# Altium PCB LoRaBoard1.PcbDoc
Units mm, origin at the board's own origin, x right, y up, seen from the top; angles counter-clockwise.
Board outline 100 x 100 mm, 2 copper layers (Top Layer, Bottom Layer), stack 1.56 mm thick; 124 components, 102 nets, 450 pads, 95 vias.
Unrouted connection lines stored in the file: 139.
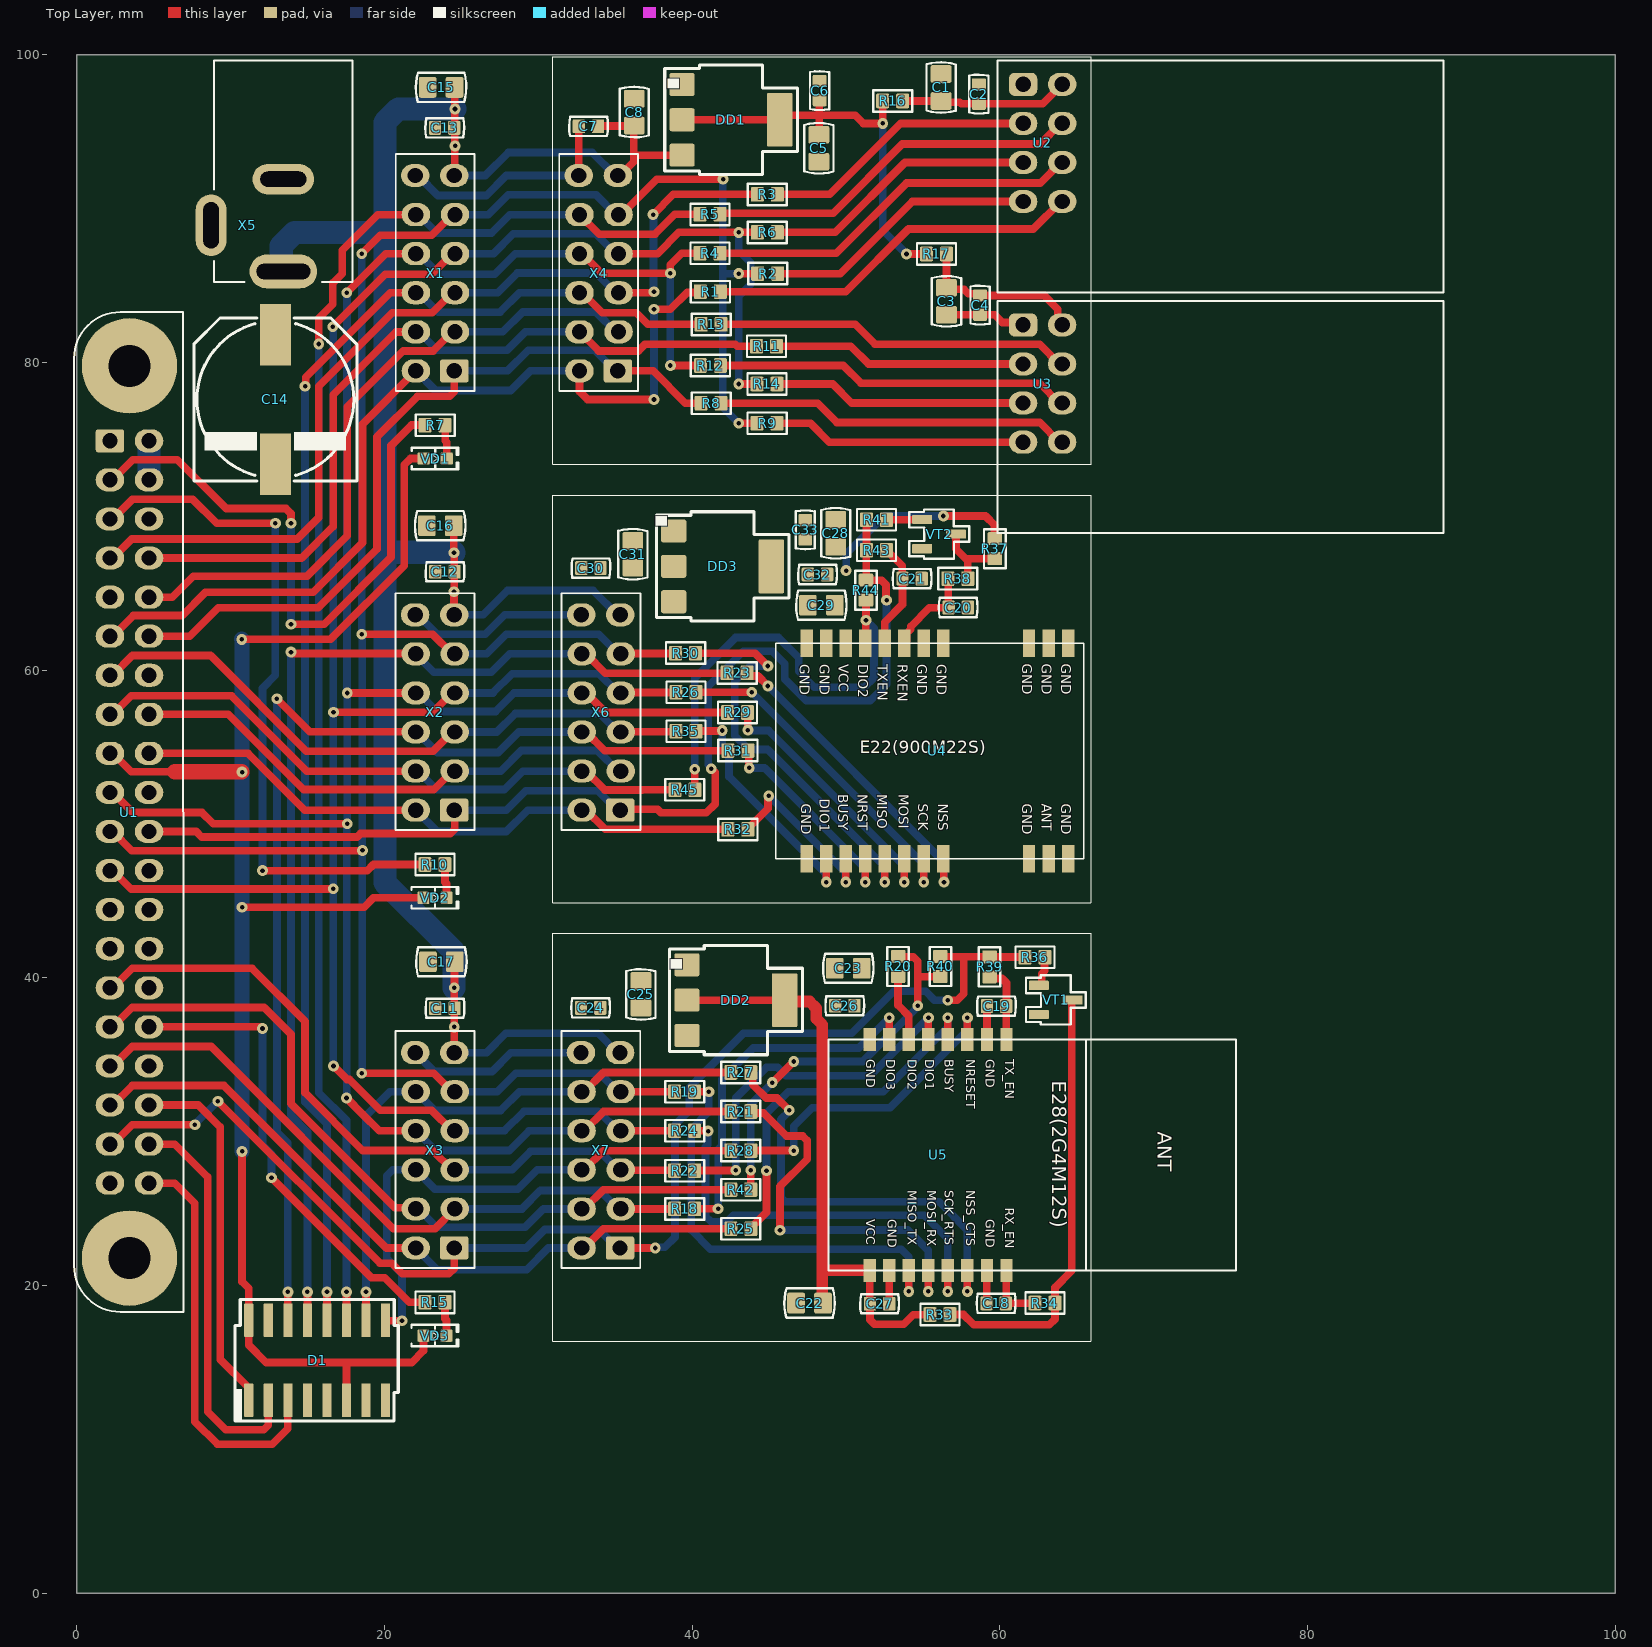
[diagram p0: Top Layer view]
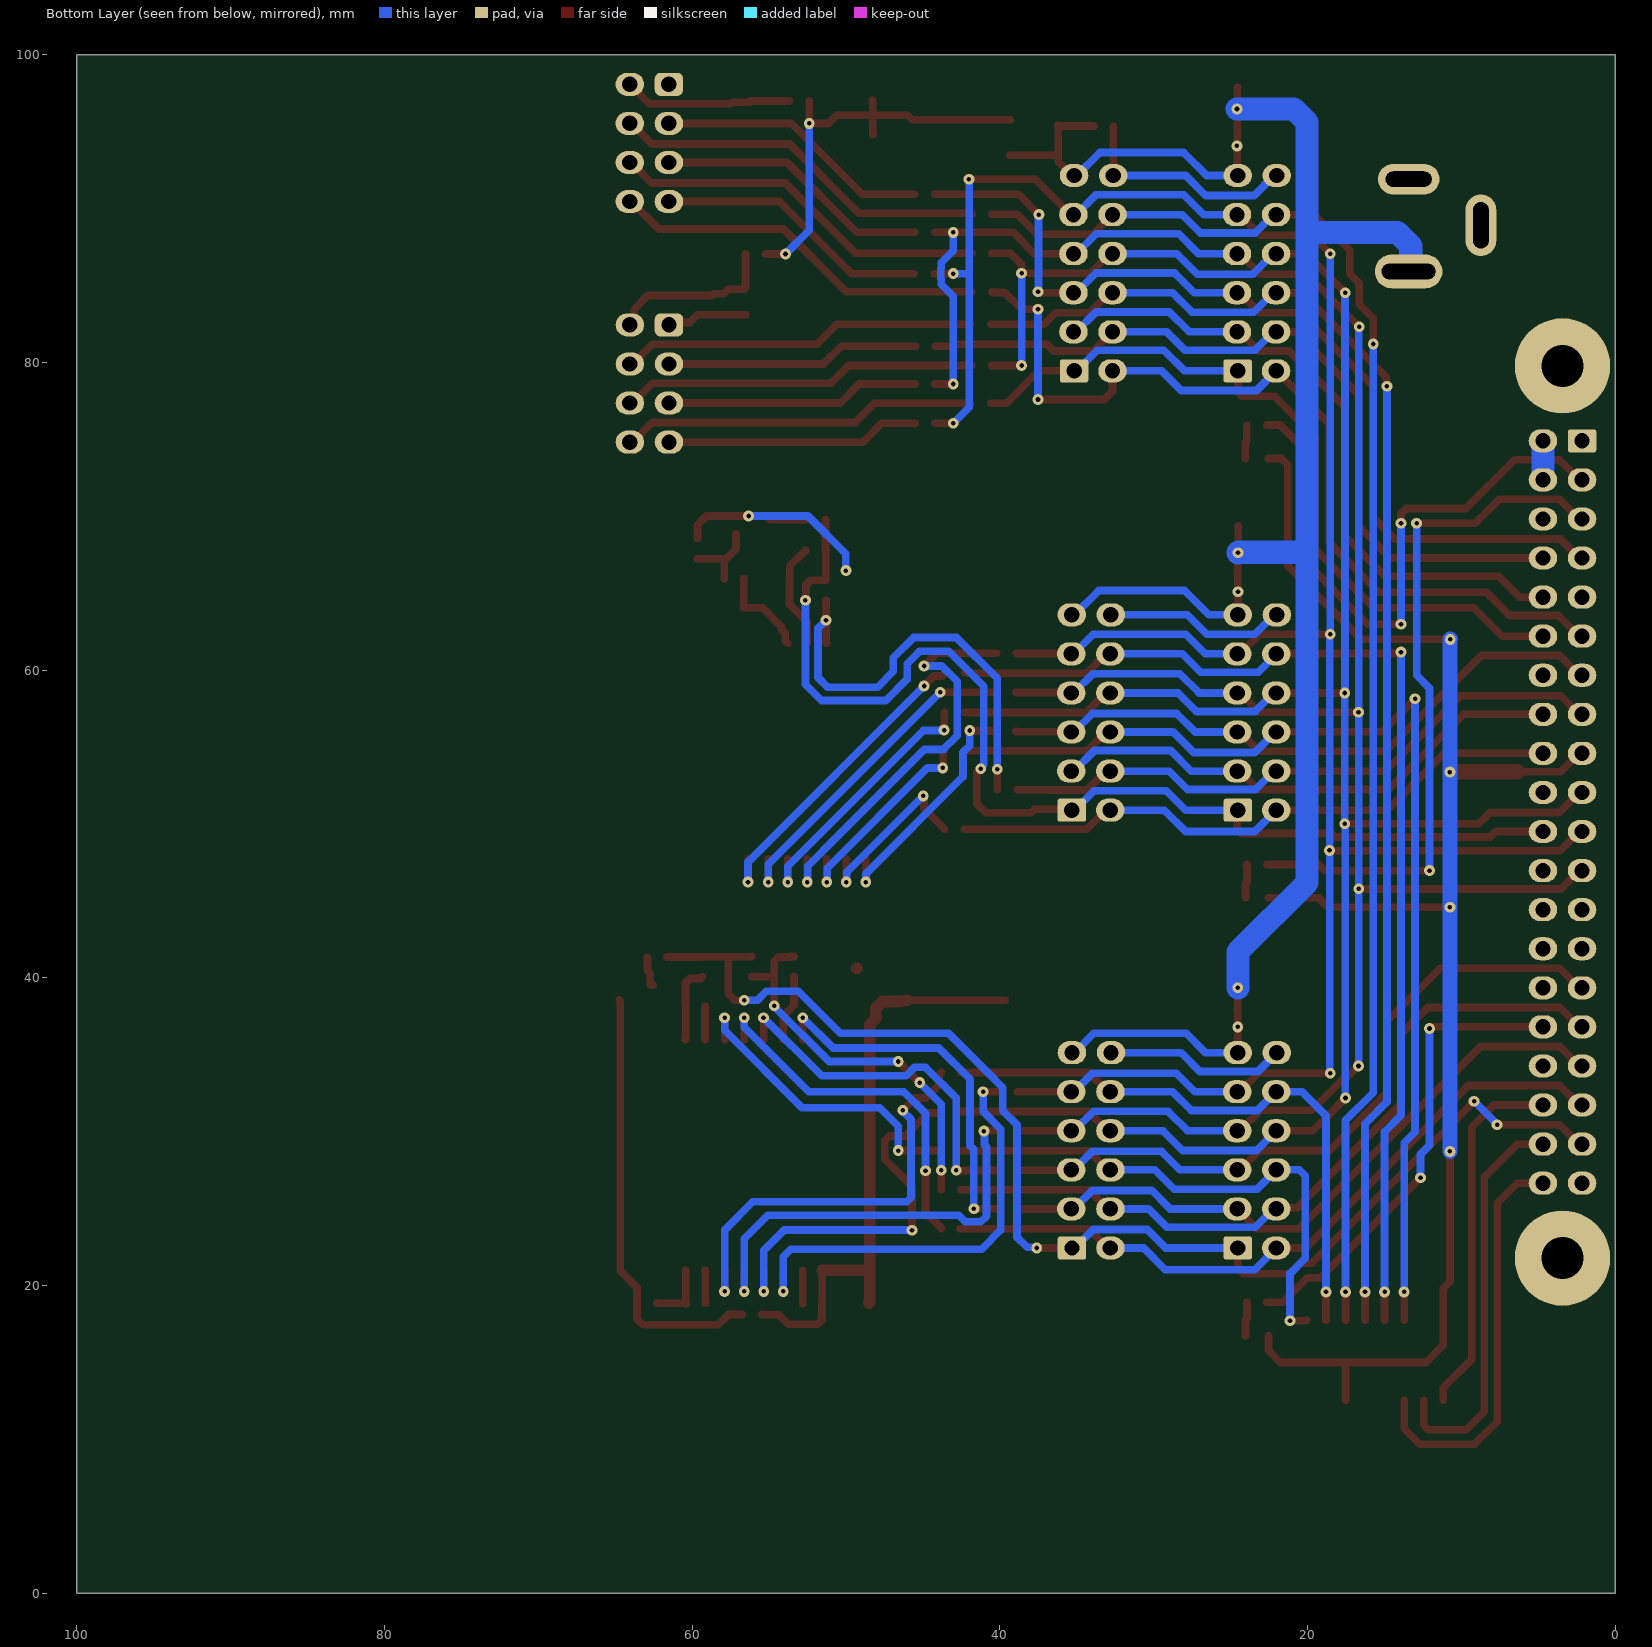
[diagram p1: Bottom Layer view, seen from below]

## Layer stack, top to bottom
Top Solder: solder mask 0.01, Solder Resist, Dk 3.5
Top Layer: signal copper 0.035
Dielectric 1: core 1.49, Core-043, Dk 4.3
Bottom Layer: signal copper 0.035
Bottom Solder: solder mask 0.01, Solder Resist, Dk 3.5

## Board outline
0,0 100,0 100,100 0,100

## Design rules (kind name [scope] priority, off if disabled: settings)
Clearance [All] p1: gap=0.2 ignorepadtopadclearanceinfootprint=FALSE except(0: Arc-Hole Track-Hole SMDPad-Hole THPad-Hole Via-Hole Fill-Hole Poly-Hole Region-Hole Text-Hole)
ComponentClearance [All] p1 off: gap=0.254 collisioncheckmode=3 verticalgap=0.254 showdistances=FALSE
HoleToHoleClearance [All] p1: gap=0.2 allowstackedmicrovias=TRUE
MinimumSolderMaskSliver [All] p1: minsoldermaskwidth=0.15
NetAntennae [All] p1 off: netantennaetolerance=0
PasteMaskExpansion [All] p1: expansion=0.02
PolygonConnect [All] p1: thpad.connectstyle=Relief thpad.reliefconductorwidth=0.3 thpad.reliefentries=4 thpad.polygonreliefangle="90 Angle" thpad.airgapwidth=0.254 smdpad.connectstyle=Relief smdpad.reliefconductorwidth=0.3 smdpad.reliefentries=4 smdpad.polygonreliefangle="90 Angle" smdpad.airgapwidth=0.254 via.connectstyle=Direct via.reliefconductorwidth=0.254 via.reliefentries=4 via.polygonreliefangle="90 Angle" via.airgapwidth=0.254
RoutingVias [All] p1: holewidth=2 width=1.5 viastyle="Through Hole" minholewidth=0.3 minwidth=0.6 maxholewidth=0.75 maxwidth=6
SilkToSilkClearance [All] p1 off: silktosilkclearance=0.254
SilkToSolderMaskClearance [IsPad] p1 off: minsilkscreentomaskgap=0.254 clearancetoexposedcopper=TRUE
SolderMaskExpansion [All] p1: expansion=0.02 istentingtop=FALSE
Width [All] p1: maxlimit=2 minlimit=0.25 preferedwidth=0.4
23 further rules are at their usual default settings.

## Classes and differential pairs
component class LoRaBoard_3: C34 C35 C36 C37 C38 C39 C40 C41 DD4 R46 R47 R48 R49 R50 R51 R52 R53 R54 R55 R56 R57 R58 U6 VT3

## Components (designator, comment, footprint, x,y, rotation, side; value= is the part's Value field where it differs from the comment)
C1 "10мкФ" "CAP 0805" 56.183,97.881 r270 top
C2 "100nF" "CAP 0603_1608 RF" 58.638,97.456 r270 top
C3 "10мкФ" "CAP 0805" 56.533,83.981 r90 top
C4 "100nF" "CAP 0603_1608 RF" 58.714,83.732 r90 top
C5 "10мкФ" "CAP 0805" 48.238,93.931 r90 top
C6 "100nF" "CAP 0603_1608 RF" 48.288,97.681 r270 top
C7 "100nF" "CAP 0603_1608 RF" 33.258,95.356 r0 top
C8 "10мкФ" "CAP 0805" 36.233,96.281 r270 top
C9 "100nF" "CAP 0603_1608 RF" 33.833,124.028 r0 top
C10 "100nF" "CAP 0603_1608 RF" 33.693,127.738 r0 top
C11 "100nF" "CAP 0603_1608 RF" 23.928,38.023 r0 top
C12 "100nF" "CAP 0603_1608 RF" 23.928,66.401 r0 top
C13 "100nF" "CAP 0603_1608 RF" 23.91,95.257 r0 top
C14 "330 мкФ" "CAP ALSMD ELEC 10.5x10.0 mm" 12.903,77.597 r270 top
C15 "10мкФ" "CAP 0805" 23.676,97.888 r0 top
C16 "10мкФ" "CAP 0805" 23.622,69.393 r0 top
C17 "10мкФ" "CAP 0805" 23.698,41.046 r0 top
C18 "100nF" "CAP 0603_1608 RF" 59.761,18.837 r0 top
C19 "100nF" "CAP 0603_1608 RF" 59.786,38.162 r180 top
C20 "100nF" "CAP 0603_1608 RF" 57.297,64.074 r180 top
C21 "100nF" "CAP 0603_1608 RF" 54.297,65.949 r0 top
C22 "10мкФ" "CAP 0805" 47.63,18.859 r0 top
C23 "10мкФ" "CAP 0805" 50.15,40.622 r180 top
C24 "100nF" "CAP 0603_1608 RF" 33.396,38.047 r0 top
C25 "10мкФ" "CAP 0805" 36.671,38.922 r270 top
C26 "100nF" "CAP 0603_1608 RF" 49.925,38.187 r180 top
C27 "100nF" "CAP 0603_1608 RF" 52.186,18.812 r180 top
C28 "10мкФ" "CAP 0805" 49.332,68.899 r270 top
C29 "10мкФ" "CAP 0805" 48.397,64.224 r0 top
C30 "100nF" "CAP 0603_1608 RF" 33.417,66.639 r0 top
C31 "10мкФ" "CAP 0805" 36.142,67.539 r270 top
C32 "100nF" "CAP 0603_1608 RF" 48.147,66.219 r0 top
C33 "100nF" "CAP 0603_1608 RF" 47.352,69.124 r270 top
C34 "100nF" "CAP 0603_1608 RF" 164.262,235.94 r0 top
C35 "100nF" "CAP 0603_1608 RF" 151.662,235.94 r0 top
C36 "10мкФ" "CAP 0805" 133.686,235.615 r0 top
C37 "10мкФ" "CAP 0805" 128.936,235.615 r0 top
C38 "100nF" "CAP 0603_1608 RF" 102.609,235.94 r0 top
C39 "10мкФ" "CAP 0805" 106.96,235.615 r0 top
C40 "100nF" "CAP 0603_1608 RF" 111.285,235.94 r0 top
C41 "100nF" "CAP 0603_1608 RF" 115.235,235.94 r0 top
D1 "74HC138D" SO-16 15.622,15.138 r0 top
DD1 "LM1117MPX-3.3" SOT223 42.516,95.781 r270 top
DD2 "LM1117MPX-3.3" SOT223 42.836,38.547 r270 top
DD3 "LM1117MPX-3.3" SOT223 41.972,66.749 r270 top
DD4 "LM1117MPX-3.3" SOT223 122.285,232.215 r0 top
R1 "100 Ом" "RES 0603_1608" 41.183,84.606 r180 top
R2 "100 Ом" "RES 0603_1608" 44.908,85.781 r180 top
R3 "100 Ом" "RES 0603_1608" 44.888,90.931 r0 top
R4 "100 Ом" "RES 0603_1608" 41.158,87.106 r180 top
R5 "100 Ом" "RES 0603_1608" 41.158,89.631 r0 top
R6 "100 Ом" "RES 0603_1608" 44.888,88.461 r180 top
R7 "470 Ом" "RES 0603_1608" 23.29,75.923 r0 top
R8 "100 Ом" "RES 0603_1608" 41.233,77.356 r180 top
R9 "100 Ом" "RES 0603_1608" 44.868,76.056 r180 top
R10 "470 Ом" "RES 0603_1608" 23.278,47.366 r0 top
R11 "100 Ом" "RES 0603_1608" 44.833,81.056 r0 top
R12 "100 Ом" "RES 0603_1608" 41.183,79.806 r180 top
R13 "100 Ом" "RES 0603_1608" 41.233,82.481 r0 top
R14 "100 Ом" "RES 0603_1608" 44.863,78.606 r180 top
R15 "470 Ом" "RES 0603_1608" 23.28,18.903 r0 top
R16 "100 Ом" "RES 0603_1608" 53.033,97.006 r0 top
R17 "100 Ом" "RES 0603_1608" 55.883,87.056 r0 top
R18 "100 Ом" "RES 0603_1608" 39.511,24.977 r180 top
R19 "100 Ом" "RES 0603_1608" 39.511,32.597 r0 top
R20 "100 Ом" "RES 0603_1608" 53.386,40.737 r90 top
R21 "100 Ом" "RES 0603_1608" 43.161,31.307 r0 top
R22 "100 Ом" "RES 0603_1608" 39.511,27.462 r180 top
R23 "100 Ом" "RES 0603_1608" 42.922,59.824 r180 top
R24 "100 Ом" "RES 0603_1608" 39.511,30.062 r0 top
R25 "100 Ом" "RES 0603_1608" 43.161,23.687 r180 top
R26 "100 Ом" "RES 0603_1608" 39.597,58.569 r180 top
R27 "100 Ом" "RES 0603_1608" 43.161,33.847 r0 top
R28 "100 Ом" "RES 0603_1608" 43.161,28.767 r180 top
R29 "100 Ом" "RES 0603_1608" 42.947,57.249 r180 top
R30 "100 Ом" "RES 0603_1608" 39.572,61.109 r180 top
R31 "100 Ом" "RES 0603_1608" 42.972,54.774 r180 top
R32 "100 Ом" "RES 0603_1608" 42.972,49.649 r180 top
R33 "100 кОм" "RES 0603_1608" 56.111,18.112 r0 top
R34 "100 Ом" "RES 0603_1608" 62.936,18.859 r180 top
R35 "100 Ом" "RES 0603_1608" 39.597,56.029 r180 top
R36 "1 кОм" "RES 0603_1608" 62.286,41.337 r0 top
R37 "100 кОм" "RES 0603_1608" 59.676,67.899 r270 top
R38 "100 Ом" "RES 0603_1608" 57.272,65.949 r180 top
R39 "100 Ом" "RES 0603_1608" 59.336,40.712 r270 top
R40 "1 кОм" "RES 0603_1608" 56.136,40.737 r90 top
R41 "1 кОм" "RES 0603_1608" 51.987,69.774 r0 top
R42 "100 Ом" "RES 0603_1608" 43.161,26.227 r0 top
R43 "100 Ом" "RES 0603_1608" 51.987,67.799 r0 top
R44 "1 кОм" "RES 0603_1608" 51.297,65.199 r90 top
R45 "100 Ом" "RES 0603_1608" 39.522,52.224 r0 top
R46 "100 Ом" "RES 0603_1608" 206.414,235.665 r0 top
R47 "100 Ом" "RES 0603_1608" 201.589,235.665 r0 top
R48 "100 Ом" "RES 0603_1608" 196.789,235.665 r0 top
R49 "100 Ом" "RES 0603_1608" 191.964,235.665 r0 top
R50 "100 Ом" "RES 0603_1608" 187.138,235.665 r0 top
R51 "100 Ом" "RES 0603_1608" 182.313,235.665 r0 top
R52 "100 Ом" "RES 0603_1608" 177.488,235.665 r0 top
R53 "100 кОм" "RES 0603_1608" 168.263,235.865 r0 top
R54 "100 Ом" "RES 0603_1608" 172.688,235.665 r0 top
R55 "1 кОм" "RES 0603_1608" 155.662,235.865 r0 top
R56 "100 Ом" "RES 0603_1608" 147.287,235.665 r0 top
R57 "1 кОм" "RES 0603_1608" 142.886,235.865 r0 top
R58 "100 Ом" "RES 0603_1608" 138.436,235.665 r0 top
U1 "RASPBERRYPI3_B+" MODULE_RASPBERRYPI3_B+ 3.42,50.78 r270 top
U2 "NRF24L01P-MODULE-PCB" NRF24L01P-MODULE 76.796,92.416 r0 top
U3 "NRF24L01P-MODULE-PCB" NRF24L01P-MODULE 76.793,76.777 r0 top
U4 "E22-900M22S" "E22 900M22S" 64.442,61.749 r0 top
U5 "E28-2G4M20S" "E28 2G4M20S" 55.986,28.487 r0 top
U6 "E22-900M22S" "E22 900M22S" 137.35,218.795 r90 top
VD1 "LED SMD GREEN" "LED 0603_1608 GREEN" 23.29,73.758 r0 top value=GREEN
VD2 "LED SMD GREEN" "LED 0603_1608 GREEN" 23.278,45.201 r0 top value=GREEN
VD3 "LED SMD GREEN" "LED 0603_1608 GREEN" 23.28,16.739 r0 top value=GREEN
VT1 "2N7002" SOT23-3 63.636,38.562 r270 top
VT2 "2N7002" SOT23-3 56.047,68.849 r270 top
VT3 "2N7002" SOT23-3 159.987,234.615 r0 top
X1 "PLD-12 (DS1021-2x6)" PLD_12_elipse 23.29,85.806 r180 top value=PLD-12
X2 "PLD-12 (DS1021-2x6)" PLD_12_elipse 23.278,57.249 r180 top value=PLD-12
X3 "PLD-12 (DS1021-2x6)" PLD_12_elipse 23.28,28.787 r180 top value=PLD-12
X4 "PLD-12 (DS1021-2x6)" PLD_12_elipse 33.923,85.806 r180 top value=PLD-12
X5 "DC-005-5A-2.5" DC-005-5A-2.5 13.424,91.923 r270 top
X6 "PLD-12 (DS1021-2x6)" PLD_12_elipse 34.072,57.249 r180 top value=PLD-12
X7 "PLD-12 (DS1021-2x6)" PLD_12_elipse 34.061,28.787 r180 top value=PLD-12
X8 "PLD-12 (DS1021-2x6)" PLD_12_elipse 69.8,138.9 r0 top value=PLD-12

## Footprints (in the part's own frame and the unit in brackets; to place one, negate y for a bottom-side part, rotate by r counter-clockwise, add the part's x,y. Pads: shape width x height; smd on the part's side, far side on the other; paste and mask are expansions set on the pad)
"CAP 0603_1608 RF" [mm] "Chip Capacitor, 2-Leads, Body 1.60x0.80mm, IPC High Density"
  rrect20% 0.8x0.9 smd: 1(-0.625,0) 2(0.625,0)
  silkscreen extent -1.26,-0.63 1.26,0.63, body extent -0.8,-0.41 0.8,0.41, height 0.82
"CAP 0805" [mm] "Chip Capacitor, 2-Leads, Body 2.00x1.20mm, IPC Medium Density"
  rrect20% 1.15x1.35 smd: 1(-0.875,0) 2(0.875,0)
  silkscreen extent -1.64,-0.95 1.64,0.95, body extent -1,-0.64 1,0.64, height 1.26
"CAP ALSMD ELEC 10.5x10.0 mm" [mm] "Electrolytic Cap, 10.3mm, L: 10mm"
  rect 4x2 smd: 1(-4.2,0) 2(4.2,0)
  silkscreen extent -5.3,-5.3 5.3,5.3, body extent -5.9,-5.25 5.9,5.25, height 10.5
DC-005-5A-2.5 [mm]
  oval 2.2x4.4 hole 1 slot 3.5 at 90 deg: 1(6,0)
  oval 2x4 hole 1 slot 3 at 90 deg: 2(0,0)
  oval 4x2 hole 1 slot 3 at 0 deg: 3(3,-4.7)
  silkscreen extent -7.7,-4.5 6.7,4.5, body extent -7.58,-4.85 7.02,4.5, height 11
"E22 900M22S" [mm] "20mm*14mm*2.8mm-S"
  rect 0.8x1.8 smd: 1(0,0) 2(-1.27,0) 3(-2.54,0) 4(-8.11,0) 5(-9.38,0) 6(-10.65,0) 7(-11.92,0) 8(-13.19,0) 9(-14.46,0) 10(-15.73,0) 11(-17,0) 12(-17,-14) 13(-15.73,-14) 14(-14.46,-14) 15(-13.19,-14) 16(-11.92,-14) 17(-10.65,-14) 18(-9.38,-14) 19(-8.11,-14) 20(-2.54,-14) 21(-1.27,-14) 22(0,-14)
  silkscreen extent -19,-14 1,0, body extent -19,-14 1,0, height 3.13
"E28 2G4M20S" [mm] "26.5mm*15mm*2.85mm-S"
  rect 0.8x1.5 smd: 1(-4.445,-7.5) 2(-3.175,-7.5) 3(-1.905,-7.5) 4(-0.635,-7.5) 5(0.635,-7.5) 6(1.905,-7.5) 7(3.175,-7.5) 8(4.445,-7.5) 9(4.445,7.5) 10(3.175,7.5) 11(1.905,7.5) 12(0.635,7.5) 13(-0.635,7.5) 14(-1.905,7.5) 15(-3.175,7.5) 16(-4.445,7.5)
  silkscreen extent -7.13,-7.5 19.37,7.5, body extent -7.14,-7.49 19.36,7.51, height 2.9
"LED 0603_1608 GREEN" [mm] "Chip Diode, 2-Leads, Body 1.60x0.80mm, IPC Medium Density"
  rrect20% 0.8x0.8 smd: 1(-0.75,0) 2(0.75,0)
  silkscreen extent -1.52,-0.7 1.52,0.7, body extent -0.8,-0.4 0.8,0.4, height 0.53
MODULE_RASPBERRYPI3_B+ [mm]
  rrect20% 1.5x1.85 hole 1: 1(-24.13,-1.27)
  oval 1.5x1.85 hole 1: 2(-24.13,1.27) 3(-21.59,-1.27) 4(-21.59,1.27) 5(-19.05,-1.27) 6(-19.05,1.27) 7(-16.51,-1.27) 8(-16.51,1.27) 9(-13.97,-1.27) 10(-13.97,1.27) 11(-11.43,-1.27) 12(-11.43,1.27) 13(-8.89,-1.27) 14(-8.89,1.27) 15(-6.35,-1.27) 16(-6.35,1.27) 17(-3.81,-1.27) 18(-3.81,1.27) 19(-1.27,-1.27) 20(-1.27,1.27) 21(1.27,-1.27) 22(1.27,1.27) 23(3.81,-1.27) 24(3.81,1.27) 25(6.35,-1.27) 26(6.35,1.27) 27(8.89,-1.27) 28(8.89,1.27) 29(11.43,-1.27) 30(11.43,1.27) 31(13.97,-1.27) 32(13.97,1.27) 33(16.51,-1.27) 34(16.51,1.27) 35(19.05,-1.27) 36(19.05,1.27) 37(21.59,-1.27) 38(21.59,1.27) 39(24.13,-1.27) 40(24.13,1.27)
  round 6.2 hole 2.75: S1(-29,0) S2(29,0)
  silkscreen extent -32.5,-3.6 32.5,3.5, body extent -35.01,-54.97 54.41,3.5, height 14
NRF24L01P-MODULE [mm]
  rrect50% 1.85x1.5 hole 1: 1(-15.284,5.669)
  oval 1.85x1.5 hole 1: 2(-12.745,5.669) 3(-15.284,3.129) 4(-12.745,3.129) 5(-15.284,0.589) 6(-12.745,0.589) 7(-15.284,-1.951) 8(-12.744,-1.951)
  silkscreen extent -16.95,-7.85 12.05,7.22, body extent -16.91,-7.83 12.09,7.17, height 3.52
PLD_12_elipse [mm]
  rrect20% 1.85x1.5 hole 1: 1(-1.25,6.35)
  oval 1.85x1.5 hole 1: 2(1.25,6.35) 3(-1.29,3.81) 4(1.25,3.81) 5(-1.29,1.27) 6(1.25,1.27) 7(-1.29,-1.27) 8(1.25,-1.27) 9(-1.29,-3.81) 10(1.25,-3.81) 11(-1.25,-6.35) 12(1.29,-6.35)
  silkscreen extent -2.56,-7.75 2.56,7.65, body extent -2.52,-7.62 2.56,7.62, height 8.7
"RES 0603_1608" [mm] "Chip Resistor, 2-Leads, Body 1.60x0.80mm, IPC Medium Density"
  rrect20% 0.85x0.95 smd: 1(-0.65,0) 2(0.65,0)
  silkscreen extent -1.27,-0.7 1.27,0.7, body extent -0.8,-0.4 0.8,0.4, height 0.45
SO-16 [mm] "Small Outline; 16 Leads; Body Width 3.9 mm; Pitch 1.27 mm"
  rrect20% 0.6x2.2 smd: 1(-4.445,-2.6) 2(-3.175,-2.6) 3(-1.905,-2.6) 4(-0.635,-2.6) 5(0.635,-2.6) 6(1.905,-2.6) 7(3.175,-2.6) 8(4.445,-2.6) 9(4.445,2.6) 10(3.175,2.6) 11(1.905,2.6) 12(0.635,2.6) 13(-0.635,2.6) 14(-1.905,2.6) 15(-3.175,2.6) 16(-4.445,2.6)
  silkscreen extent -5.35,-3.97 5.27,3.96, body extent -4.95,-3.05 5.05,3.15, height 1.64
SOT23-3 [mm]
  rrect20% 0.6x1.3 smd: 1(-0.95,-1.1) 2(0.95,-1.1) 3(0,1.1)
  silkscreen extent -1.6,-1.93 1.6,1.96, body extent -1.56,-1.25 1.56,1.25, height 1.1
SOT223 [mm]
  rrect20% 1.5x1.65 smd: 1(-2.3,-3.175) 2(0,-3.175) 3(2.3,-3.175)
  rrect10% 3.5x1.65 smd: 4(0,3.175)
  silkscreen extent -3.55,-4.3 3.55,4.33, body extent -3.35,-3.48 3.35,3.48, height 1.8
